# KiCad board Kimiro.kicad_pcb (continued)
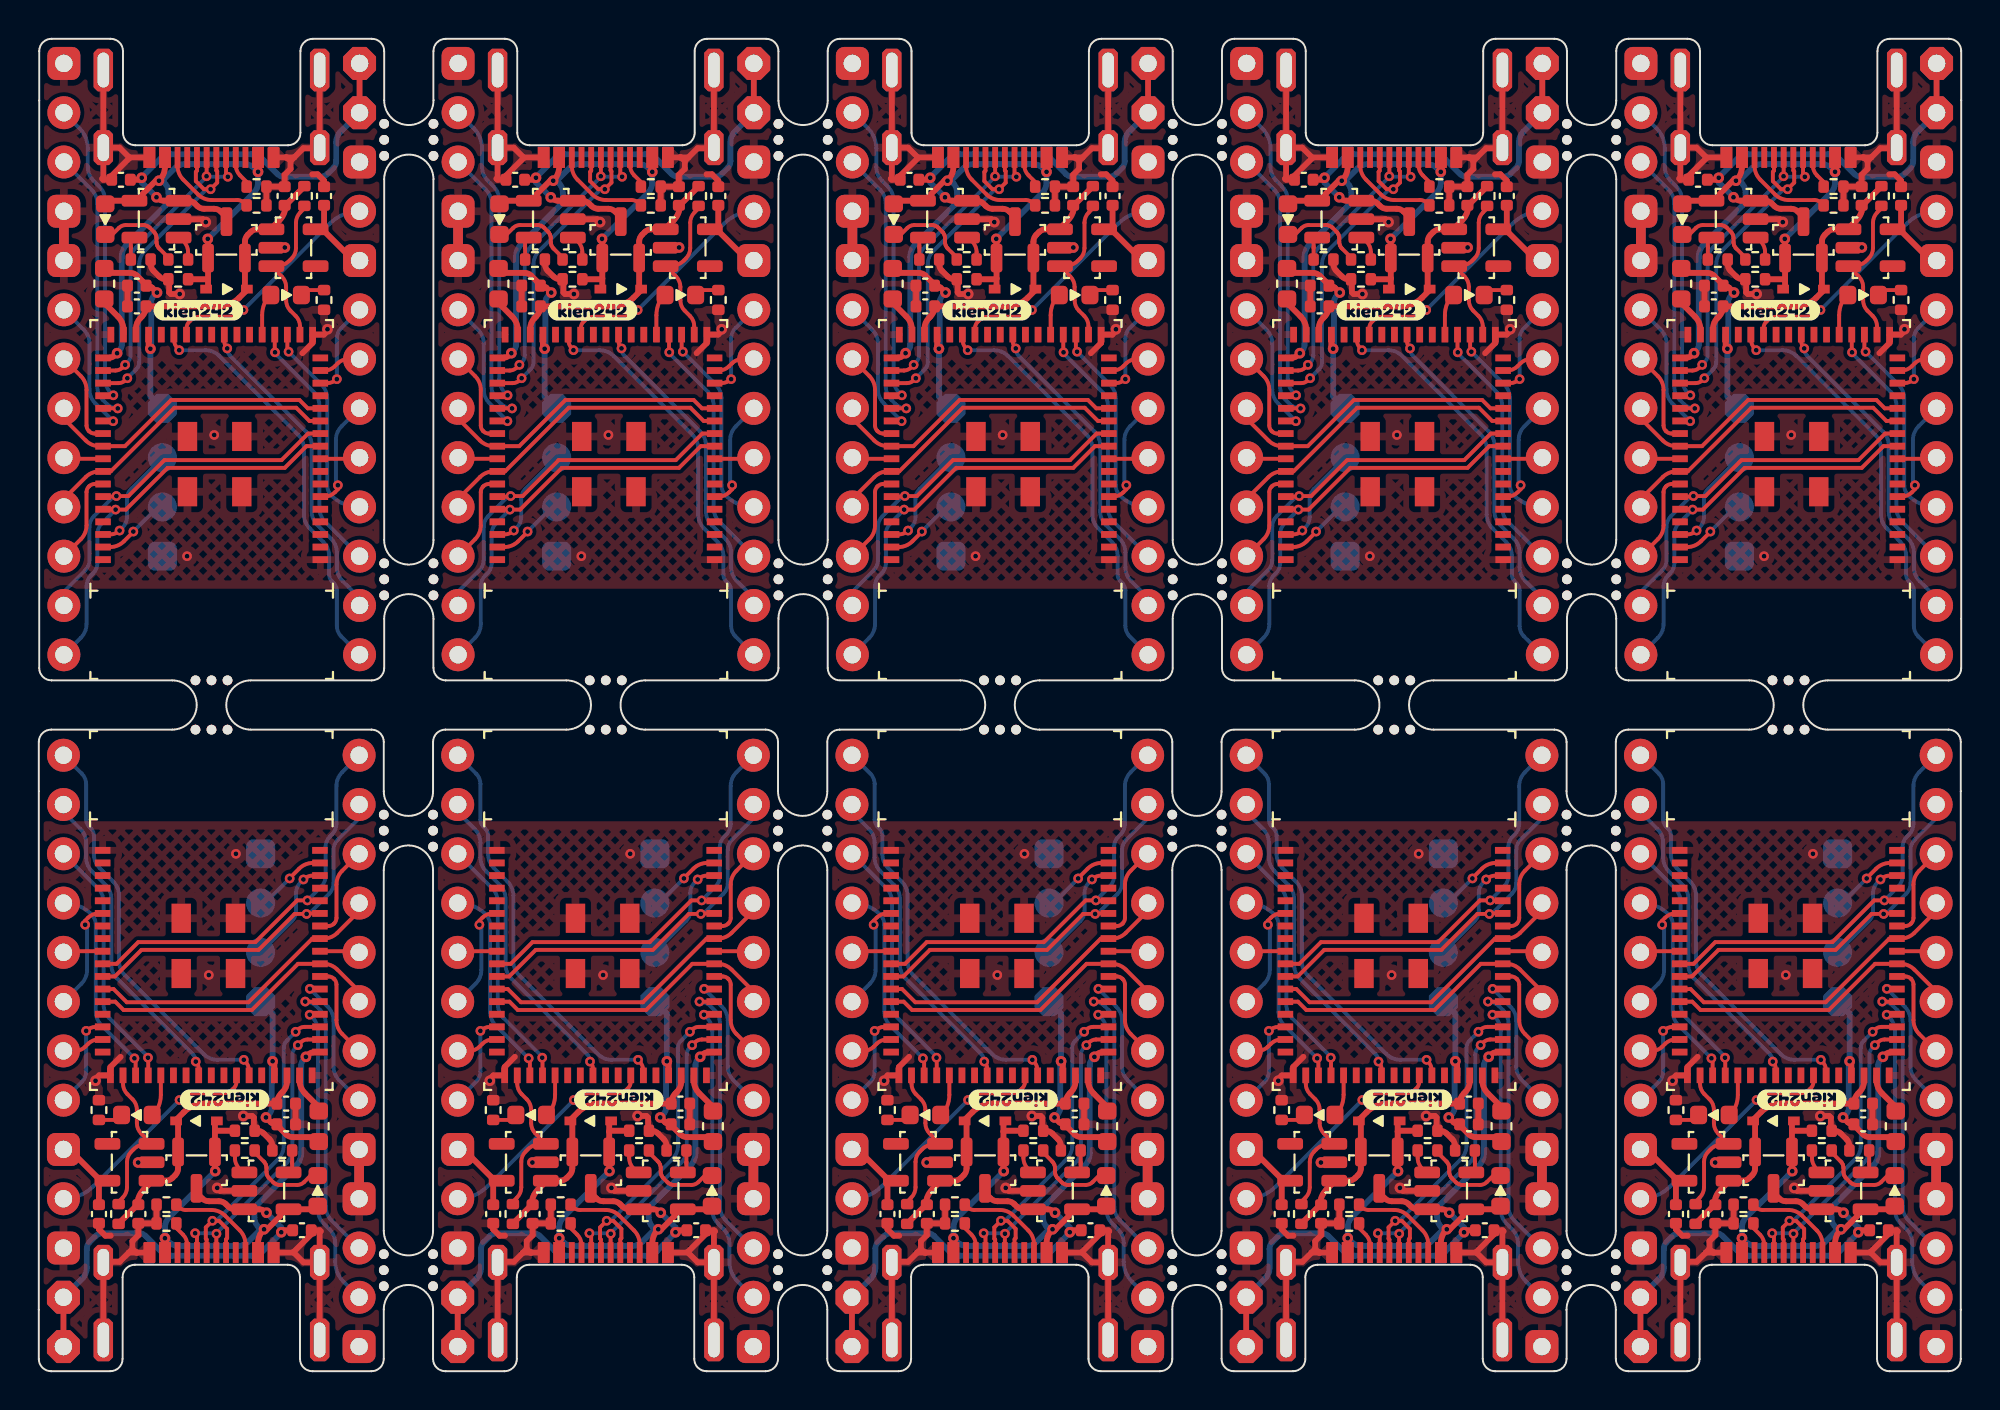
[diagram p0: board, top side]
## Nets
GND: C1.2 C1#2.2 C2.2 C3.2 C4.2 C5.1 C5#2.1 C6.1 C6#2.1 C7.2 C7#2.2 C8.2 C8#2.2 C9.1 C10.1 C11.1 C12.1 C13.2 C14.2 C15.2 C16.2 C17.2 C18.1 C19.1 C20.1 C21.1 C22.2 C23.2 C24.2 C25.2 C26.2 C27.2 C28.1 C29.1 C30.1 C31.1 C32.2 C33.2 C34.2 C35.2 C36.2 C37.2 C38.1 C39.1 C40.1 C41.1 C42.2 C43.2 C44.2 C45.2 J1.1 J1#2.1 J2.A1 J2.A12 J2.B1 J2.B12 J2.S1 J2#2.A1 J2#2.A12 J2#2.B1 J2#2.B12 J2#2.S1 J3.1 J3.4 J3.5 J3#2.1 J3#2.4 J3#2.5 J4.3 J4#2.3 J5.1 J6.1 J7.A1 J7.A12 J7.B1 J7.B12 J7.S1 J8.A1 J8.A12 J8.B1 J8.B12 J8.S1 J9.1 J9.4 J9.5 J10.1 J10.4 J10.5 J11.3 J12.3 J13.1 J14.1 J15.A1 J15.A12 J15.B1 J15.B12 J15.S1 J16.A1 J16.A12 J16.B1 J16.B12 J16.S1 J17.1 J17.4 J17.5 J18.1 J18.4 J18.5 J19.3 J20.3 J21.1 J22.1 J23.A1 J23.A12 J23.B1 J23.B12 J23.S1 J24.A1 J24.A12 J24.B1 J24.B12 J24.S1 J25.1 J25.4 J25.5 J26.1 J26.4 J26.5 J27.3 J28.3 J29.1 J30.1 J31.A1 J31.A12 J31.B1 J31.B12 J31.S1 J32.A1 J32.A12 J32.B1 J32.B12 J32.S1 J33.1 J33.4 J33.5 J34.1 J34.4 J34.5 J35.3 J36.3 R1.2 R1#2.2 R2.1 R2#2.1 R3.2 R3#2.2 R5.2 R5#2.2 R6.2 R7.2 R8.1 R9.1 R11.1 R11#2.1 R12.2 R13.2 R16.2 R17.2 R20.1 R21.1 R22.2 R23.2 R24.1 R25.1 R26.2 R27.2 R30.2 R31.2 R34.1 R35.1 R36.2 R37.2 R38.1 R39.1 R40.2 R41.2 R44.2 R45.2 R48.1 R49.1 R50.2 R51.2 R52.1 R53.1 R54.2 R55.2 R58.2 R59.2 R62.1 R63.1 U1.2 U1#2.2 U2.2 U3.1 U3.18 U3.34 U3.61 U3#2.1 U3#2.18 U3#2.34 U3#2.61 U4.2 U4#2.2 U5.2 U6.1 U6.18 U6.34 U6.61 U7.1 U7.18 U7.34 U7.61 U8.2 U9.2 U10.2 U11.2 U12.1 U12.18 U12.34 U12.61 U13.1 U13.18 U13.34 U13.61 U14.2 U15.2 U16.2 U17.2 U18.1 U18.18 U18.34 U18.61 U19.1 U19.18 U19.34 U19.61 U20.2 U21.2 U22.2 U23.2 U24.1 U24.18 U24.34 U24.61 U25.1 U25.18 U25.34 U25.61 U26.2 U27.2
VBAT: C1.1 C1#2.1 C2.1 C3.1 C4.1 C17.1 C26.1 C27.1 C36.1 C37.1 J4.1 J4.2 J4#2.1 J4#2.2 J11.1 J11.2 J12.1 J12.2 J19.1 J19.2 J20.1 J20.2 J27.1 J27.2 J28.1 J28.2 J35.1 J35.2 J36.1 J36.2 Q1.3 Q1#2.3 Q2.3 Q3.3 Q4.3 Q5.3 Q6.3 Q7.3 Q8.3 Q9.3 U1.3 U1#2.3 U2.3 U5.3 U10.3 U11.3 U16.3 U17.3 U22.3 U23.3
VBUS: D1.2 D1#2.2 D3.2 D3#2.2 D4.2 D5.2 D8.2 D9.2 D10.2 D11.2 D14.2 D15.2 D16.2 D17.2 D20.2 D21.2 D22.2 D23.2 D26.2 D27.2 J2.A4 J2.A9 J2.B4 J2.B9 J2#2.A4 J2#2.A9 J2#2.B4 J2#2.B9 J7.A4 J7.A9 J7.B4 J7.B9 J8.A4 J8.A9 J8.B4 J8.B9 J15.A4 J15.A9 J15.B4 J15.B9 J16.A4 J16.A9 J16.B4 J16.B9 J23.A4 J23.A9 J23.B4 J23.B9 J24.A4 J24.A9 J24.B4 J24.B9 J31.A4 J31.A9 J31.B4 J31.B9 J32.A4 J32.A9 J32.B4 J32.B9 Q1.1 Q1#2.1 Q2.1 Q3.1 Q4.1 Q5.1 Q6.1 Q7.1 Q8.1 Q9.1 R3.1 R3#2.1 R12.1 R13.1 R26.1 R27.1 R40.1 R41.1 R54.1 R55.1 U1.4 U1#2.4 U2.4 U3.35 U3#2.35 U5.4 U6.35 U7.35 U10.4 U11.4 U12.35 U13.35 U16.4 U17.4 U18.35 U19.35 U22.4 U23.4 U24.35 U25.35
VCC: C6.2 C6#2.2 C11.2 C12.2 C20.2 C21.2 C30.2 C31.2 C40.2 C41.2 J4.5 J4#2.5 J11.5 J12.5 J19.5 J20.5 J27.5 J28.5 J35.5 J36.5 U4.5 U4#2.5 U8.5 U9.5 U14.5 U15.5 U20.5 U21.5 U26.5 U27.5
VDD: C7.1 C7#2.1 C13.1 C14.1 C22.1 C23.1 C32.1 C33.1 C42.1 C43.1 J1.4 J1#2.4 J5.4 J6.4 J13.4 J14.4 J21.4 J22.4 J29.4 J30.4 L1.2 L1#2.2 L2.2 L3.2 L4.2 L5.2 L6.2 L7.2 L8.2 L9.2 U3.31 U3#2.31 U6.31 U7.31 U12.31 U13.31 U18.31 U19.31 U24.31 U25.31
VDDH: C5.2 C5#2.2 C8.1 C8#2.1 C9.2 C10.2 C15.1 C16.1 C18.2 C19.2 C24.1 C25.1 C28.2 C29.2 C34.1 C35.1 C38.2 C39.2 C44.1 C45.1 D1.1 D1#2.1 D4.1 D5.1 D10.1 D11.1 D16.1 D17.1 D22.1 D23.1 Q1.2 Q1#2.2 Q2.2 Q3.2 Q4.2 Q5.2 Q6.2 Q7.2 Q8.2 Q9.2 R10.1 R10#2.1 R18.1 R19.1 R32.1 R33.1 R46.1 R47.1 R60.1 R61.1 U3.32 U3#2.32 U4.1 U4#2.1 U6.32 U7.32 U8.1 U9.1 U12.32 U13.32 U14.1 U15.1 U18.32 U19.32 U20.1 U21.1 U24.32 U25.32 U26.1 U27.1
002: J4.9 J4#2.9 J11.9 J12.9 J19.9 J20.9 J27.9 J28.9 J35.9 J36.9 U3.9 U3#2.9 U6.9 U7.9 U12.9 U13.9 U18.9 U19.9 U24.9 U25.9
003: J4.8 J4#2.8 J11.8 J12.8 J19.8 J20.8 J27.8 J28.8 J35.8 J36.8 U3.6 U3#2.6 U6.6 U7.6 U12.6 U13.6 U18.6 U19.6 U24.6 U25.6
004: J4.7 J4#2.7 J11.7 J12.7 J19.7 J20.7 J27.7 J28.7 J35.7 J36.7 U3.16 U3#2.16 U6.16 U7.16 U12.16 U13.16 U18.16 U19.16 U24.16 U25.16
005: J4.6 J4#2.6 J11.6 J12.6 J19.6 J20.6 J27.6 J28.6 J35.6 J36.6 U3.15 U3#2.15 U6.15 U7.15 U12.15 U13.15 U18.15 U19.15 U24.15 U25.15
006: J4.10 J4#2.10 J11.10 J12.10 J19.10 J20.10 J27.10 J28.10 J35.10 J36.10 U3.20 U3#2.20 U6.20 U7.20 U12.20 U13.20 U18.20 U19.20 U24.20 U25.20
008: J4.12 J4#2.12 J11.12 J12.12 J19.12 J20.12 J27.12 J28.12 J35.12 J36.12 U3.25 U3#2.25 U6.25 U7.25 U12.25 U13.25 U18.25 U19.25 U24.25 U25.25
013: J3.3 J3#2.3 J9.3 J10.3 J17.3 J18.3 J25.3 J26.3 J33.3 J34.3 U3.39 U3#2.39 U6.39 U7.39 U12.39 U13.39 U18.39 U19.39 U24.39 U25.39
015: J3.6 J3#2.6 J9.6 J10.6 J17.6 J18.6 J25.6 J26.6 J33.6 J34.6 U3.40 U3#2.40 U6.40 U7.40 U12.40 U13.40 U18.40 U19.40 U24.40 U25.40
016: J4.13 J4#2.13 J11.13 J12.13 J19.13 J20.13 J27.13 J28.13 J35.13 J36.13 U3.29 U3#2.29 U6.29 U7.29 U12.29 U13.29 U18.29 U19.29 U24.29 U25.29
017: J3.7 J3#2.7 J9.7 J10.7 J17.7 J18.7 J25.7 J26.7 J33.7 J34.7 U3.41 U3#2.41 U6.41 U7.41 U12.41 U13.41 U18.41 U19.41 U24.41 U25.41
019: J3.2 J3#2.2 J9.2 J10.2 J17.2 J18.2 J25.2 J26.2 J33.2 J34.2 U3.38 U3#2.38 U6.38 U7.38 U12.38 U13.38 U18.38 U19.38 U24.38 U25.38
020: J3.10 J3#2.10 J9.10 J10.10 J17.10 J18.10 J25.10 J26.10 J33.10 J34.10 U3.12 U3.44 U3#2.12 U3#2.44 U6.12 U6.44 U7.12 U7.44 U12.12 U12.44 U13.12 U13.44 U18.12 U18.44 U19.12 U19.44 U24.12 U24.44 U25.12 U25.44
021: J3.8 J3#2.8 J9.8 J10.8 J17.8 J18.8 J25.8 J26.8 J33.8 J34.8 U3.13 U3.42 U3#2.13 U3#2.42 U6.13 U6.42 U7.13 U7.42 U12.13 U12.42 U13.13 U13.42 U18.13 U18.42 U19.13 U19.42 U24.13 U24.42 U25.13 U25.42
022: J3.11 J3#2.11 J9.11 J10.11 J17.11 J18.11 J25.11 J26.11 J33.11 J34.11 U3.45 U3#2.45 U6.45 U7.45 U12.45 U13.45 U18.45 U19.45 U24.45 U25.45
023: J3.9 J3#2.9 J9.9 J10.9 J17.9 J18.9 J25.9 J26.9 J33.9 J34.9 U3.43 U3#2.43 U6.43 U7.43 U12.43 U13.43 U18.43 U19.43 U24.43 U25.43
024: J3.12 J3#2.12 J9.12 J10.12 J17.12 J18.12 J25.12 J26.12 J33.12 J34.12 U3.11 U3.46 U3#2.11 U3#2.46 U6.11 U6.46 U7.11 U7.46 U12.11 U12.46 U13.11 U13.46 U18.11 U18.46 U19.11 U19.46 U24.11 U24.46 U25.11 U25.46
100: J3.13 J3#2.13 J9.13 J10.13 J17.13 J18.13 J25.13 J26.13 J33.13 J34.13 U3.10 U3.47 U3#2.10 U3#2.47 U6.10 U6.47 U7.10 U7.47 U12.10 U12.47 U13.10 U13.47 U18.10 U18.47 U19.10 U19.47 U24.10 U24.47 U25.10 U25.47
108: J4.11 J4#2.11 J11.11 J12.11 J19.11 J20.11 J27.11 J28.11 J35.11 J36.11 U3.21 U3#2.21 U6.21 U7.21 U12.21 U13.21 U18.21 U19.21 U24.21 U25.21
D+: J2.A6 J2.B6 J2#2.A6 J2#2.B6 J7.A6 J7.B6 J8.A6 J8.B6 J15.A6 J15.B6 J16.A6 J16.B6 J23.A6 J23.B6 J24.A6 J24.B6 J31.A6 J31.B6 J32.A6 J32.B6 U3.37 U3#2.37 U6.37 U7.37 U12.37 U13.37 U18.37 U19.37 U24.37 U25.37
D-: J2.A7 J2.B7 J2#2.A7 J2#2.B7 J7.A7 J7.B7 J8.A7 J8.B7 J15.A7 J15.B7 J16.A7 J16.B7 J23.A7 J23.B7 J24.A7 J24.B7 J31.A7 J31.B7 J32.A7 J32.B7 U3.36 U3#2.36 U6.36 U7.36 U12.36 U13.36 U18.36 U19.36 U24.36 U25.36
DCCH: L1.1 L1#2.1 L2.1 L3.1 L4.1 L5.1 L6.1 L7.1 L8.1 L9.1 U3.33 U3#2.33 U6.33 U7.33 U12.33 U13.33 U18.33 U19.33 U24.33 U25.33
LED: D2.2 D2#2.2 D6.2 D7.2 D12.2 D13.2 D18.2 D19.2 D24.2 D25.2 U3.22 U3#2.22 U6.22 U7.22 U12.22 U13.22 U18.22 U19.22 U24.22 U25.22
POWER_PIN: R10.2 R10#2.2 R18.2 R19.2 R32.2 R33.2 R46.2 R47.2 R60.2 R61.2 U3.19 U3#2.19 U4.3 U4#2.3 U6.19 U7.19 U8.3 U9.3 U12.19 U13.19 U14.3 U15.3 U18.19 U19.19 U20.3 U21.3 U24.19 U25.19 U26.3 U27.3
RST: J4.4 J4#2.4 J11.4 J12.4 J19.4 J20.4 J27.4 J28.4 J35.4 J36.4 U3.28 U3#2.28 U6.28 U7.28 U12.28 U13.28 U18.28 U19.28 U24.28 U25.28
SWCLK: J1.2 J1#2.2 J5.2 J6.2 J13.2 J14.2 J21.2 J22.2 J29.2 J30.2 U3.50 U3#2.50 U6.50 U7.50 U12.50 U13.50 U18.50 U19.50 U24.50 U25.50
SWDIO: J1.3 J1#2.3 J5.3 J6.3 J13.3 J14.3 J21.3 J22.3 J29.3 J30.3 U3.49 U3#2.49 U6.49 U7.49 U12.49 U13.49 U18.49 U19.49 U24.49 U25.49
Net-(D2-Pad1): D2.1 D2#2.1 D6.1 D7.1 D12.1 D13.1 D18.1 D19.1 D24.1 D25.1 R11.2 R11#2.2 R20.2 R21.2 R34.2 R35.2 R48.2 R49.2 R62.2 R63.2
Net-(D3-Pad1): D3.1 D3#2.1 D8.1 D9.1 D14.1 D15.1 D20.1 D21.1 D26.1 D27.1 R4.1 R4#2.1 R14.1 R15.1 R28.1 R29.1 R42.1 R43.1 R56.1 R57.1
Net-(J2-PadA5): J2.A5 J2#2.A5 J7.A5 J8.A5 J15.A5 J16.A5 J23.A5 J24.A5 J31.A5 J32.A5 R1.1 R1#2.1 R6.1 R7.1 R22.1 R23.1 R36.1 R37.1 R50.1 R51.1
Net-(J2-PadB5): J2.B5 J2#2.B5 J7.B5 J8.B5 J15.B5 J16.B5 J23.B5 J24.B5 J31.B5 J32.B5 R2.2 R2#2.2 R8.2 R9.2 R24.2 R25.2 R38.2 R39.2 R52.2 R53.2
Net-(R4-Pad2): R4.2 R4#2.2 R14.2 R15.2 R28.2 R29.2 R42.2 R43.2 R56.2 R57.2 U1.1 U1#2.1 U2.1 U5.1 U10.1 U11.1 U16.1 U17.1 U22.1 U23.1
Net-(R5-Pad1): R5.1 R5#2.1 R16.1 R17.1 R30.1 R31.1 R44.1 R45.1 R58.1 R59.1 U1.5 U1#2.5 U2.5 U5.5 U10.5 U11.5 U16.5 U17.5 U22.5 U23.5

Pads without a net: J2 A8 B8; J2#2 A8 B8; J7 A8 B8; J8 A8 B8; J15 A8 B8; J16 A8 B8; J23 A8 B8; J24 A8 B8; J31 A8 B8; J32 A8 B8; U3 2 3 4 5 7 8 14 17 23 24 26 27 30 48 51; U3#2 2 3 4 5 7 8 14 17 23 24 26 27 30 48 51; U4 4; U4#2 4; U6 2 3 4 5 7 8 14 17 23 24 26 27 30 48 51; U7 2 3 4 5 7 8 14 17 23 24 26 27 30 48 51; U8 4; U9 4; U12 2 3 4 5 7 8 14 17 23 24 26 27 30 48 51; U13 2 3 4 5 7 8 14 17 23 24 26 27 30 48 51; U14 4; U15 4; U18 2 3 4 5 7 8 14 17 23 24 26 27 30 48 51; U19 2 3 4 5 7 8 14 17 23 24 26 27 30 48 51; U20 4; U21 4; U24 2 3 4 5 7 8 14 17 23 24 26 27 30 48 51; U25 2 3 4 5 7 8 14 17 23 24 26 27 30 48 51; U26 4; U27 4

## Via types
v1: diameter 0.55, hole 0.25, Top to Bottom, 120 vias
v2: diameter 0.5, hole 0.25, Top to Bottom, 210 vias

## Routing (per net, layer and track width the routed paths; a pad name or vN(x,y) marks a point on that pad's centre or on a via; arc(x,y) is an arc through that point)
GND: length 349.7
  Top w0.3: 66.82,10.77 66.09,10.77 v1(66.08,10.76) ; U10.2 49.99,9.3 v1(49.83,9.45) ; 65.18,16.21 64.65,15.68 U18.18 64.07,15.25 63.88,15.06 v1(63.88,14.97) ; 14.09,61.7 14.37,61.7 14.7,61.37 C6#2.1 ; 94.26,62.38 94.07,62.57 94.02,62.57 ; 94.26,62.38 94.26,61.98 93.95,61.67 C39.1 93.95,61.06 R51.2 R53.1 ; 94.26,62.38 94.44,62.57 ; J8.A1 33.06,62.57 ; 33.06,62.57 33.48,62.57 ; 33.06,62.57 33.07,62.56 ; 33.06,62.57 33.11,62.57 33.3,62.38 ; J2#2.S1 J2#2.S1 14.45,63.04 13.64,63.04 13.16,62.57 ; C30.1 64.06,7.32 64.39,6.98 64.67,6.98 ; 85.92,6.11 85.45,5.64 84.63,5.64 J31.S1 J31.S1 ; 85.92,6.11 86.11,6.3 ; 85.92,6.11 86.34,6.11 ; R59.2 87.04,57.08 arc(87.08,56.88) 87.19,56.72 87.48,56.43 arc(87.64,56.32) 87.83,56.29 R55.2 88,56.24 88,55.61 88.08,55.52 v1(88.54,55.52) ; 54.22,52.48 54.75,53 U13.18 55.33,53.43 55.52,53.62 v1(55.52,53.71) ; U16.2 70.31,9.3 v1(70.15,9.45) ; J16.A12 45.3,62.57 ; 45.3,62.57 44.8,63.07 J16.S1 ; 45.3,62.57 45.3,62.53 44.4,61.62 C17.2 ; 85.94,62.57 85.94,62.53 85.04,61.62 C37.2 ; 85.94,62.57 85.44,63.07 J32.S1 ; 85.94,62.57 J32.A12 ; 24.98,62.57 24.98,62.53 24.08,61.62 C3.2 ; 24.98,62.57 24.48,63.07 J8.S1 ; 24.98,62.57 J8.A12 ; v1(29.51,9.45) 29.67,9.3 U2.2 ; 33.46,6.11 33.46,6.15 34.36,7.06 C2.2 ; 33.46,6.11 J7.A12 ; 33.46,6.11 33.96,5.61 J7.S1 ; C40.1 84.38,7.32 84.71,6.98 84.99,6.98 ; 73.94,62.38 74.12,62.57 ; 73.94,62.38 73.94,61.98 73.63,61.67 C29.1 73.63,61.06 R37.2 R39.1 ; 73.94,62.38 73.75,62.57 73.7,62.57 ; 74.12,62.57 73.7,62.57 ; 74.12,62.57 74.6,63.04 75.41,63.04 J24.S1 J24.S1 ; C45.2 C43.2 ; C21.1 55.34,61.37 55.01,61.7 54.73,61.7 ; R2.1 R1.2 12.67,61.06 C5#2.1 12.67,61.67 12.98,61.98 12.98,62.38 ; v1(8.61,59.23) 8.45,59.39 U1.2 ; v1(51.18,13.16) 51.64,13.16 51.72,13.07 51.72,12.44 R26.2 51.89,12.4 arc(52.08,12.36) 52.24,12.25 52.53,11.96 arc(52.64,11.8) 52.68,11.61 R30.2 ; 4.83,6.3 5.01,6.11 5.06,6.11 ; 4.83,6.3 4.64,6.11 ; 4.83,6.3 4.83,6.71 5.13,7.01 C5.1 5.13,7.62 R1#2.2 R2#2.1 ; 5.86,10.77 5.13,10.77 v1(5.12,10.76) ; 33.48,62.57 33.96,63.04 34.77,63.04 J8.S1 J8.S1 ; 33.48,62.57 33.3,62.38 ; U17.2 69.41,59.39 v1(69.57,59.23) ; J23.S1 75.44,7.16 75.49,7.21 75.44,7.26 75.13,7.26 ; J23.S1 74.6,5.61 74.1,6.11 ; J23.S1 J23.S1 ; J24.A12 65.62,62.57 ; 65.62,62.57 65.62,62.53 64.72,61.62 C27.2 ; 65.62,62.57 65.12,63.07 J24.S1 ; C8.2 C7#2.2 ; J7.S1 J7.S1 23.67,5.64 24.49,5.64 24.96,6.11 ; 4.64,6.11 4.17,5.64 3.35,5.64 J2.S1 J2.S1 ; 4.64,6.11 5.06,6.11 ; R16.2 32.36,11.61 arc(32.32,11.8) 32.21,11.96 31.92,12.25 arc(31.76,12.36) 31.57,12.4 R12.2 31.4,12.44 31.4,13.07 31.32,13.16 v1(30.86,13.16) ; R5.2 5.76,57.08 arc(5.8,56.88) 5.91,56.72 6.2,56.43 arc(6.36,56.32) 6.55,56.29 R3#2.2 6.72,56.24 6.72,55.61 6.8,55.52 v1(7.26,55.52) ; 25.15,6.3 25.33,6.11 25.38,6.11 ; 25.15,6.3 25.15,6.71 25.45,7.01 C9.1 25.45,7.62 R6.2 R8.1 ; 25.15,6.3 24.96,6.11 ; 94.86,52.48 95.39,53 U25.18 95.97,53.43 96.16,53.62 v1(96.16,53.71) ; U5.2 28.77,59.39 v1(28.93,59.23) ; 74.1,6.11 74.1,6.15 75,7.06 C26.2 ; 74.1,6.11 J23.A12 ; R31.2 46.4,57.08 arc(46.44,56.88) 46.55,56.72 46.84,56.43 arc(47,56.32) 47.19,56.29 R27.2 47.36,56.24 47.36,55.61 47.44,55.52 v1(47.9,55.52) ; v1(33,57.92) 32.99,57.91 32.26,57.91 ; R5#2.2 12.04,11.61 arc(12,11.8) 11.89,11.96 11.6,12.25 arc(11.44,12.36) 11.25,12.4 R3.2 11.08,12.44 11.08,13.07 11,13.16 v1(10.54,13.16) ; J2.A12 13.14,6.11 ; 13.14,6.11 13.14,6.15 14.04,7.06 C1.2 ; 13.14,6.11 13.64,5.61 J2.S1 ; 12.98,62.38 13.16,62.57 ; 12.98,62.38 12.79,62.57 12.74,62.57 ; 11.94,57.91 12.67,57.91 v1(12.68,57.92) ; R17.2 26.08,57.08 arc(26.12,56.88) 26.23,56.72 26.52,56.43 arc(26.68,56.32) 26.87,56.29 R13.2 27.04,56.24 27.04,55.61 27.12,55.52 v1(27.58,55.52) ; C11.1 23.42,7.32 23.75,6.98 24.03,6.98 ; R24.1 R22.2 45.77,7.62 C18.1 45.77,7.01 45.47,6.71 45.47,6.3 ; R25.1 R23.2 53.31,61.06 C19.1 53.31,61.67 53.62,61.98 53.62,62.38 ; 54.81,7.26 55.12,7.26 55.17,7.21 55.12,7.16 J15.S1 ; R58.2 93.32,11.61 arc(93.28,11.8) 93.17,11.96 92.88,12.25 arc(92.72,12.36) 92.53,12.4 R54.2 92.36,12.44 92.36,13.07 92.28,13.16 v1(91.82,13.16) ; 93.22,57.91 93.95,57.91 v1(93.96,57.92) ; 45.47,6.3 45.28,6.11 ; 45.47,6.3 45.65,6.11 45.7,6.11 ; 45.28,6.11 44.81,5.64 43.99,5.64 J15.S1 J15.S1 ; 45.28,6.11 45.7,6.11 ; 53.39,62.56 53.38,62.57 ; 53.38,62.57 53.8,62.57 ; 53.38,62.57 J16.A1 ; 53.38,62.57 53.43,62.57 53.62,62.38 ; J24.S1 J24.S1 ; J24.S1 64.29,61.52 64.23,61.47 64.28,61.42 64.59,61.42 ; 86.11,6.3 86.11,6.71 86.41,7.01 C38.1 86.41,7.62 R50.2 R52.1 ; 86.11,6.3 86.29,6.11 86.34,6.11 ; 85.5,16.21 84.97,15.68 U24.18 84.39,15.25 84.2,15.06 v1(84.2,14.97) ; J16.S1 J16.S1 ; J16.S1 43.97,61.52 43.91,61.47 43.96,61.42 44.27,61.42 ; C15.2 C13.2 ; 52.58,57.91 53.31,57.91 v1(53.32,57.92) ; 4.66,62.57 4.16,63.07 J2#2.S1 ; 4.66,62.57 4.66,62.53 3.76,61.62 C1#2.2 ; 4.66,62.57 J2#2.A12 ; J32.S1 J32.S1 95.73,63.04 94.92,63.04 94.44,62.57 ; U23.2 89.73,59.39 v1(89.89,59.23) ; 94.42,6.11 94.92,5.61 J31.S1 ; 94.42,6.11 J31.A12 ; 94.42,6.11 94.42,6.15 95.32,7.06 C36.2 ; J15.S1 J15.S1 ; J15.S1 54.28,5.61 53.78,6.11 ; J23.S1 J23.S1 64.31,5.64 65.13,5.64 65.6,6.11 ; 94.44,62.57 94.02,62.57 ; J31.A1 86.34,6.11 ; 86.34,6.11 86.33,6.12 ; 66.02,6.11 65.97,6.11 65.79,6.3 ; 66.02,6.11 J23.A1 ; 66.02,6.11 65.6,6.11 ; 66.02,6.11 66.01,6.12 ; 12.74,62.57 13.16,62.57 ; 12.74,62.57 12.75,62.56 ; 12.74,62.57 J2#2.A1 ; v1(73.64,57.92) 73.63,57.91 72.9,57.91 ; 25.38,6.11 J7.A1 ; 25.38,6.11 25.37,6.12 ; 25.38,6.11 24.96,6.11 ; J31.S1 95.76,7.16 95.81,7.21 95.76,7.26 95.45,7.26 ; J31.S1 J31.S1 ; 5.05,6.12 5.06,6.11 ; 5.06,6.11 J2.A1 ; 44.86,16.21 44.33,15.68 U12.18 43.75,15.25 43.56,15.06 v1(43.56,14.97) ; 65.6,6.11 65.79,6.3 ; 33.3,62.38 33.3,61.98 32.99,61.67 C10.1 32.99,61.06 R7.2 R9.1 ; 53.78,6.11 53.78,6.15 54.68,7.06 C4.2 ; 53.78,6.11 J15.A12 ; 94.02,62.57 J32.A1 ; 94.02,62.57 94.03,62.56 ; v1(45.76,10.76) 45.77,10.77 46.5,10.77 ; 26.18,10.77 25.45,10.77 v1(25.44,10.76) ; v1(86.4,10.76) 86.41,10.77 87.14,10.77 ; 73.7,62.57 J24.A1 ; 73.7,62.57 73.71,62.56 ; U1#2.2 9.35,9.3 v1(9.19,9.45) ; U11.2 49.09,59.39 v1(49.25,59.23) ; C25.2 C23.2 ; 23.95,61.42 23.64,61.42 23.59,61.47 23.65,61.52 J8.S1 ; 45.69,6.12 45.7,6.11 ; 45.7,6.11 J15.A1 ; J16.S1 J16.S1 55.09,63.04 54.28,63.04 53.8,62.57 ; 13.58,52.48 14.11,53 U3#2.18 14.69,53.43 14.88,53.62 v1(14.88,53.71) ; C20.1 43.74,7.32 44.07,6.98 44.35,6.98 ; J7.S1 J7.S1 ; J7.S1 34.8,7.16 34.85,7.21 34.8,7.26 34.49,7.26 ; 95.37,61.7 95.65,61.7 95.98,61.37 C41.1 ; 84.91,61.42 84.6,61.42 84.55,61.47 84.61,61.52 J32.S1 ; 53.62,62.38 53.8,62.57 ; v1(35.2,53.71) 35.2,53.62 35.01,53.43 U7.18 34.43,53 33.9,52.48 ; v1(71.5,13.16) 71.96,13.16 72.04,13.07 72.04,12.44 R40.2 72.21,12.4 arc(72.4,12.36) 72.56,12.25 72.85,11.96 arc(72.96,11.8) 73,11.61 R44.2 ; C35.2 C33.2 ; J2.S1 14.48,7.16 14.53,7.21 14.48,7.26 14.17,7.26 ; J2.S1 J2.S1 ; J8.S1 J8.S1 ; 34.41,61.7 34.69,61.7 35.02,61.37 C12.1 ; J2#2.S1 3.33,61.52 3.27,61.47 3.32,61.42 3.63,61.42 ; J2#2.S1 J2#2.S1 ; C6.1 3.1,7.32 3.43,6.98 3.71,6.98 ; C24.2 C22.2 ; v1(68.22,55.52) 67.76,55.52 67.68,55.61 67.68,56.24 R41.2 67.51,56.29 arc(67.32,56.32) 67.16,56.43 66.87,56.72 arc(66.76,56.88) 66.72,57.08 R45.2 ; C44.2 C42.2 ; J32.S1 J32.S1 ; v1(23.24,14.97) 23.24,15.06 23.43,15.25 U6.18 24.01,15.68 24.54,16.21 ; C8#2.2 C7.2 ; 4.22,16.21 3.69,15.68 U3.18 3.11,15.25 2.92,15.06 v1(2.92,14.97) ; C31.1 75.66,61.37 75.33,61.7 75.05,61.7 ; R38.1 R36.2 66.09,7.62 C28.1 66.09,7.01 65.79,6.71 65.79,6.3 ; U22.2 90.63,9.3 v1(90.47,9.45) ; C34.2 C32.2 ; C16.2 C14.2 ; 74.54,52.48 75.07,53 U19.18 75.65,53.43 75.84,53.62 v1(75.84,53.71)
  Top w0.5: 57.15,11.4 57.15,8.86 ; 41.93,57.28 41.93,59.82 ; 82.57,57.28 82.57,59.82 ; 1.29,57.28 1.29,59.82 ; 16.51,11.4 16.51,8.86 ; 36.83,11.4 36.83,8.86 ; 97.79,11.4 97.79,8.86 ; 62.25,57.28 62.25,59.82 ; 77.47,11.4 77.47,8.86 ; 21.61,57.28 21.61,59.82
  Bottom w0.5: J25.5 J25.4 ; J9.5 J9.4 ; J18.5 J18.4 ; J17.5 J17.4 ; J34.5 J34.4 ; J33.5 J33.4 ; J10.5 J10.4 ; J3#2.5 J3#2.4 ; J26.5 J26.4 ; J3.5 J3.4
  vias: v2(7.64,42.01) v2(8.76,20.42) v2(9.04,48.26) v2(10.16,26.67) v2(27.96,42.01) v2(29.08,20.42) v2(29.36,48.26) v2(30.48,26.67) v2(48.28,42.01) v2(49.4,20.42) v2(49.68,48.26) v2(50.8,26.67) v2(68.6,42.01) v2(69.72,20.42) v2(70,48.26) v2(71.12,26.67) v2(88.92,42.01) v2(90.04,20.42) v2(90.32,48.26) v2(91.44,26.67)
VBAT: length 228.2
  Top w0.3: 73.89,7.26 73.56,7.26 v1(73.46,7.16) ; 65.83,61.42 66.16,61.42 v1(66.26,61.52) ; 33.25,7.26 32.92,7.26 v1(32.82,7.16) ; v1(45.94,61.52) 45.84,61.42 45.51,61.42 ; v1(72.7,8.17) 72.66,8.2 arc(72.5,8.31) 72.31,8.35 U16.3 71.07,8.35 arc(70.88,8.38) 70.72,8.49 70.6,8.62 arc(70.44,8.72) 70.24,8.76 69.73,8.76 arc(69.54,8.8) 69.37,8.91 69.09,9.19 Q6.3 ; v1(46.71,60.51) 46.74,60.48 arc(46.9,60.37) 47.09,60.34 U11.3 48.33,60.34 arc(48.52,60.3) 48.68,60.19 48.8,60.07 arc(48.97,59.96) 49.16,59.92 49.67,59.92 arc(49.86,59.88) 50.03,59.77 50.31,59.49 Q5.3 ; v1(67.03,60.51) 67.06,60.48 arc(67.22,60.37) 67.41,60.34 U17.3 68.65,60.34 arc(68.84,60.3) 69,60.19 69.12,60.07 arc(69.29,59.96) 69.48,59.92 69.99,59.92 arc(70.18,59.88) 70.35,59.77 70.63,59.49 Q7.3 ; v1(5.3,61.52) 5.2,61.42 4.87,61.42 ; 94.21,7.26 93.88,7.26 v1(93.78,7.16) ; 12.93,7.26 12.6,7.26 v1(12.5,7.16) ; J36.1 J36.2 ; J28.1 J28.2 ; J4#2.1 J4#2.2 ; 86.15,61.42 86.48,61.42 v1(86.58,61.52) ; Q1#2.3 8.13,9.19 8.41,8.91 arc(8.58,8.8) 8.77,8.76 9.28,8.76 arc(9.48,8.72) 9.64,8.62 9.76,8.49 arc(9.92,8.38) 10.11,8.35 U1#2.3 11.35,8.35 arc(11.54,8.31) 11.7,8.2 v1(11.74,8.17) ; 25.19,61.42 25.52,61.42 v1(25.62,61.52) ; Q3.3 29.99,59.49 29.71,59.77 arc(29.54,59.88) 29.35,59.92 28.84,59.92 arc(28.65,59.96) 28.48,60.07 28.36,60.19 arc(28.2,60.3) 28.01,60.34 U5.3 26.77,60.34 arc(26.58,60.37) 26.42,60.48 v1(26.39,60.51) ; 53.57,7.26 53.24,7.26 v1(53.14,7.16) ; Q2.3 28.45,9.19 28.73,8.91 arc(28.9,8.8) 29.09,8.76 29.6,8.76 arc(29.8,8.72) 29.96,8.62 30.08,8.49 arc(30.24,8.38) 30.43,8.35 U2.3 31.67,8.35 arc(31.86,8.31) 32.02,8.2 v1(32.06,8.17) ; J11.1 J11.2 ; Q4.3 48.77,9.19 49.05,8.91 arc(49.22,8.8) 49.41,8.76 49.92,8.76 arc(50.12,8.72) 50.28,8.62 50.4,8.49 arc(50.56,8.38) 50.75,8.35 U10.3 51.99,8.35 arc(52.18,8.31) 52.34,8.2 v1(52.38,8.17) ; J12.1 J12.2 ; v1(87.35,60.51) 87.38,60.48 arc(87.54,60.37) 87.73,60.34 U23.3 88.97,60.34 arc(89.16,60.3) 89.32,60.19 89.44,60.07 arc(89.61,59.96) 89.8,59.92 90.31,59.92 arc(90.5,59.88) 90.67,59.77 90.95,59.49 Q9.3 ; Q1.3 9.67,59.49 9.39,59.77 arc(9.22,59.88) 9.03,59.92 8.52,59.92 arc(8.33,59.96) 8.16,60.07 8.04,60.19 arc(7.88,60.3) 7.69,60.34 U1.3 6.45,60.34 arc(6.26,60.37) 6.1,60.48 v1(6.07,60.51) ; J35.1 J35.2 ; J27.1 J27.2 ; J19.1 J19.2 ; J20.1 J20.2 ; J4.1 J4.2 ; Q8.3 89.41,9.19 89.69,8.91 arc(89.86,8.8) 90.05,8.76 90.56,8.76 arc(90.76,8.72) 90.92,8.62 91.04,8.49 arc(91.2,8.38) 91.39,8.35 U22.3 92.63,8.35 arc(92.82,8.31) 92.98,8.2 v1(93.02,8.17)
  Bottom w0.3: J4.2 2.26,4.8 arc(2.42,5.04) 2.48,5.33 2.48,6.31 arc(2.51,6.5) 2.62,6.66 2.93,6.97 arc(3.09,7.07) 3.28,7.11 5.16,7.11 arc(5.35,7.07) 5.51,6.97 6.31,6.17 arc(6.55,6.01) 6.84,5.95 11,5.95 arc(11.28,6.01) 11.53,6.17 12.5,7.14 v1(12.5,7.16) 12.5,7.41 v1(11.74,8.17) ; v1(6.07,60.51) 5.3,61.27 v1(5.3,61.52) 5.3,61.54 6.28,62.51 arc(6.52,62.67) 6.81,62.73 10.97,62.73 arc(11.25,62.67) 11.5,62.51 12.29,61.72 arc(12.45,61.61) 12.64,61.57 14.52,61.57 arc(14.71,61.61) 14.87,61.72 15.18,62.02 arc(15.29,62.18) 15.33,62.37 15.33,63.36 arc(15.38,63.64) 15.55,63.89 J4#2.2 ; J19.2 42.9,4.8 arc(43.06,5.04) 43.12,5.33 43.12,6.31 arc(43.15,6.5) 43.26,6.66 43.57,6.97 arc(43.73,7.07) 43.92,7.11 45.8,7.11 arc(45.99,7.07) 46.15,6.97 46.95,6.17 arc(47.19,6.01) 47.48,5.95 51.64,5.95 arc(51.92,6.01) 52.17,6.17 53.14,7.14 v1(53.14,7.16) 53.14,7.41 v1(52.38,8.17) ; v1(46.71,60.51) 45.94,61.27 v1(45.94,61.52) 45.94,61.54 46.92,62.51 arc(47.16,62.67) 47.45,62.73 51.61,62.73 arc(51.89,62.67) 52.14,62.51 52.93,61.72 arc(53.09,61.61) 53.28,61.57 55.16,61.57 arc(55.35,61.61) 55.51,61.72 55.82,62.02 arc(55.93,62.18) 55.97,62.37 55.97,63.36 arc(56.02,63.64) 56.19,63.89 J20.2 ; J27.2 63.22,4.8 arc(63.38,5.04) 63.44,5.33 63.44,6.31 arc(63.47,6.5) 63.58,6.66 63.89,6.97 arc(64.05,7.07) 64.24,7.11 66.12,7.11 arc(66.31,7.07) 66.47,6.97 67.27,6.17 arc(67.51,6.01) 67.8,5.95 71.96,5.95 arc(72.24,6.01) 72.49,6.17 73.46,7.14 v1(73.46,7.16) 73.46,7.41 v1(72.7,8.17) ; J28.2 76.51,63.89 arc(76.34,63.64) 76.29,63.36 76.29,62.37 arc(76.25,62.18) 76.14,62.02 75.83,61.72 arc(75.67,61.61) 75.48,61.57 73.6,61.57 arc(73.41,61.61) 73.25,61.72 72.46,62.51 arc(72.21,62.67) 71.93,62.73 67.77,62.73 arc(67.48,62.67) 67.24,62.51 66.26,61.54 v1(66.26,61.52) 66.26,61.27 v1(67.03,60.51) ; J36.2 96.83,63.89 arc(96.66,63.64) 96.61,63.36 96.61,62.37 arc(96.57,62.18) 96.46,62.02 96.15,61.72 arc(95.99,61.61) 95.8,61.57 93.92,61.57 arc(93.73,61.61) 93.57,61.72 92.78,62.51 arc(92.53,62.67) 92.25,62.73 88.09,62.73 arc(87.8,62.67) 87.56,62.51 86.58,61.54 v1(86.58,61.52) 86.58,61.27 v1(87.35,60.51) ; v1(26.39,60.51) 25.62,61.27 v1(25.62,61.52) 25.62,61.54 26.6,62.51 arc(26.84,62.67) 27.13,62.73 31.29,62.73 arc(31.57,62.67) 31.82,62.51 32.61,61.72 arc(32.77,61.61) 32.96,61.57 34.84,61.57 arc(35.03,61.61) 35.19,61.72 35.5,62.02 arc(35.61,62.18) 35.65,62.37 35.65,63.36 arc(35.7,63.64) 35.87,63.89 J12.2 ; v1(93.02,8.17) 93.78,7.41 v1(93.78,7.16) 93.78,7.14 92.81,6.17 arc(92.56,6.01) 92.28,5.95 88.12,5.95 arc(87.83,6.01) 87.59,6.17 86.79,6.97 arc(86.63,7.07) 86.44,7.11 84.56,7.11 arc(84.37,7.07) 84.21,6.97 83.9,6.66 arc(83.79,6.5) 83.76,6.31 83.76,5.33 arc(83.7,5.04) 83.54,4.8 J35.2 ; J11.2 22.58,4.8 arc(22.74,5.04) 22.8,5.33 22.8,6.31 arc(22.83,6.5) 22.94,6.66 23.25,6.97 arc(23.41,7.07) 23.6,7.11 25.48,7.11 arc(25.67,7.07) 25.83,6.97 26.63,6.17 arc(26.87,6.01) 27.16,5.95 31.32,5.95 arc(31.6,6.01) 31.85,6.17 32.82,7.14 v1(32.82,7.16) 32.82,7.41 v1(32.06,8.17)
VBUS: length 300.1
  Top w0.3: J32.A4 92.58,62.57 v1(92.58,61.82) ; U19.35 64.54,52.23 arc(64.73,52.27) 64.9,52.38 v1(64.99,52.48) ; J23.A4 67.46,6.12 v1(67.46,6.86) ; 70.14,12.95 70.04,12.85 70.04,12.35 ; v1(9.09,10.31) 9.08,10.33 Q1#2.1 9.08,12.35 ; J2#2.A9 6.5,62.09 arc(6.42,61.71) 6.21,61.38 v1(6.19,61.37) 6.04,61.37 5,60.34 3.79,60.34 3.42,59.97 ; J8.A9 26.82,62.09 arc(26.74,61.71) 26.53,61.38 v1(26.51,61.37) 26.36,61.37 25.32,60.34 24.11,60.34 23.74,59.97 ; v1(24.35,52.48) 24.26,52.38 arc(24.09,52.27) 23.9,52.23 U7.35 ; 90,56.33 89.96,56.29 R55.1 ; 90,56.33 90,55.83 89.9,55.73 ; 90,56.33 Q9.1 90,58.35 v1(89.99,58.37) ; R13.1 29,56.29 29.04,56.33 ; J15.A9 51.94,6.59 arc(52.02,6.98) 52.23,7.3 v1(52.25,7.32) 52.41,7.32 53.44,8.35 54.65,8.35 55.02,8.71 ; 69.68,56.33 Q7.1 69.68,58.35 v1(69.67,58.37) ; 69.68,56.33 69.68,55.83 69.58,55.73 ; 69.68,56.33 69.64,56.29 R41.1 ; 9.18,12.95 9.08,12.85 9.08,12.35 ; 9.08,12.35 9.12,12.4 R3.1 ; 70.04,12.35 Q6.1 70.04,10.33 v1(70.05,10.31) ; 70.04,12.35 70.08,12.4 R40.1 ; R54.1 90.4,12.4 90.36,12.35 ; J8.A4 31.62,62.57 v1(31.62,61.82) ; 49.36,56.33 Q5.1 49.36,58.35 v1(49.35,58.37) ; 49.36,56.33 49.36,55.83 49.26,55.73 ; 49.36,56.33 49.32,56.29 R27.1 ; 29.4,12.35 29.4,12.85 29.5,12.95 ; 29.4,12.35 Q2.1 29.4,10.33 v1(29.41,10.31) ; 29.4,12.35 29.44,12.4 R12.1 ; 90.46,12.95 90.36,12.85 90.36,12.35 ; J24.A9 67.46,62.09 arc(67.38,61.71) 67.17,61.38 v1(67.15,61.37) 67,61.37 65.96,60.34 64.75,60.34 64.38,59.97 ; v1(49.73,10.31) 49.72,10.33 Q4.1 49.72,12.35 ; U25.35 84.86,52.23 arc(85.05,52.27) 85.22,52.38 v1(85.31,52.48) ; J23.A9 72.26,6.59 arc(72.34,6.98) 72.55,7.3 v1(72.57,7.32) 72.73,7.32 73.76,8.35 74.97,8.35 75.34,8.71 ; 49.72,12.35 49.76,12.4 R26.1 ; 49.72,12.35 49.72,12.85 49.82,12.95 ; J2#2.A4 11.3,62.57 v1(11.3,61.82) ; U24.35 95.5,16.45 arc(95.31,16.41) 95.14,16.3 v1(95.05,16.21) ; 28.94,55.73 29.04,55.83 29.04,56.33 ; 8.72,56.33 Q1.1 8.72,58.35 v1(8.71,58.37) ; 8.72,56.33 8.68,56.29 R3#2.1 ; 8.72,56.33 8.72,55.83 8.62,55.73 ; J16.A4 51.94,62.57 v1(51.94,61.82) ; J16.A9 47.14,62.09 arc(47.06,61.71) 46.85,61.38 v1(46.83,61.37) 46.68,61.37 45.64,60.34 44.43,60.34 44.06,59.97 ; 14.38,8.71 14.01,8.35 12.8,8.35 11.77,7.32 v1(11.61,7.32) 11.59,7.3 arc(11.38,6.98) 11.3,6.59 J2.A9 ; v1(4.03,52.48) 3.94,52.38 arc(3.77,52.27) 3.58,52.23 U3#2.35 ; v1(29.03,58.37) 29.04,58.35 Q3.1 29.04,56.33 ; v1(6.5,6.86) 6.5,6.12 J2.A4 ; U18.35 75.18,16.45 arc(74.99,16.41) 74.82,16.3 v1(74.73,16.21) ; 90.36,12.35 Q8.1 90.36,10.33 v1(90.37,10.31) ; v1(87.78,6.86) 87.78,6.12 J31.A4 ; J15.A4 47.14,6.12 v1(47.14,6.86) ; U12.35 54.86,16.45 arc(54.67,16.41) 54.5,16.3 v1(54.41,16.21) ; J31.A9 92.58,6.59 arc(92.66,6.98) 92.87,7.3 v1(92.89,7.32) 93.05,7.32 94.08,8.35 95.29,8.35 95.66,8.71 ; U13.35 44.22,52.23 arc(44.41,52.27) 44.58,52.38 v1(44.67,52.48) ; v1(13.77,16.21) 13.86,16.3 arc(14.03,16.41) 14.22,16.45 U3.35 ; J7.A9 31.62,6.59 arc(31.7,6.98) 31.91,7.3 v1(31.93,7.32) 32.09,7.32 33.12,8.35 34.33,8.35 34.7,8.71 ; 84.7,59.97 85.07,60.34 86.28,60.34 87.32,61.37 v1(87.47,61.37) 87.49,61.38 arc(87.7,61.71) 87.78,62.09 J32.A9 ; J24.A4 72.26,62.57 v1(72.26,61.82) ; v1(26.82,6.86) 26.82,6.12 J7.A4 ; U6.35 34.54,16.45 arc(34.35,16.41) 34.18,16.3 v1(34.09,16.21)
  Bottom w0.3: v1(44.67,52.48) 44.77,52.57 arc(44.88,52.73) 44.92,52.93 44.92,57.42 arc(44.99,57.8) 45.21,58.13 47.18,60.1 arc(47.29,60.26) 47.33,60.46 47.33,60.74 arc(47.27,61.02) 47.11,61.27 47.01,61.37 ; 10.26,62.23 7.55,62.23 arc(7.26,62.17) 7.02,62.01 6.37,61.37 ; 10.26,62.23 10.58,62.23 arc(10.87,62.17) 11.11,62.01 v1(11.3,61.82) 11.3,61.27 arc(11.24,60.98) 11.08,60.74 v1(8.71,58.37) ; 10.26,62.23 10.28,62.23 ; 11.43,7.32 11.33,7.41 arc(11.17,7.66) 11.11,7.94 11.11,8.23 arc(11.15,8.42) 11.26,8.58 13.23,10.55 arc(13.45,10.88) 13.52,11.26 13.52,15.76 arc(13.56,15.95) 13.67,16.11 v1(13.77,16.21) ; 11.43,7.32 10.79,6.67 arc(10.54,6.51) 10.26,6.45 7.54,6.45 ; 11.43,7.32 v1(11.61,7.32) ; 27.86,6.45 27.84,6.45 ; 27.86,6.45 30.58,6.45 arc(30.86,6.51) 31.11,6.67 31.75,7.32 ; 27.86,6.45 27.54,6.45 arc(27.25,6.51) 27.01,6.67 v1(26.82,6.86) 26.82,7.41 arc(26.88,7.7) 27.04,7.94 v1(29.41,10.31) ; 72.39,7.32 72.29,7.41 arc(72.13,7.66) 72.07,7.94 72.07,8.23 arc(72.11,8.42) 72.22,8.58 74.19,10.55 arc(74.41,10.88) 74.48,11.26 74.48,15.76 arc(74.52,15.95) 74.63,16.11 v1(74.73,16.21) ; 72.39,7.32 v1(72.57,7.32) ; 72.39,7.32 71.75,6.67 arc(71.5,6.51) 71.22,6.45 68.5,6.45 ; v1(52.25,7.32) 52.07,7.32 ; 52.07,7.32 51.97,7.41 arc(51.81,7.66) 51.75,7.94 51.75,8.23 arc(51.79,8.42) 51.9,8.58 53.87,10.55 arc(54.09,10.88) 54.16,11.26 54.16,15.76 arc(54.2,15.95) 54.31,16.11 v1(54.41,16.21) ; 52.07,7.32 51.43,6.67 arc(51.18,6.51) 50.9,6.45 48.18,6.45 ; v1(90.37,10.31) 88,7.94 arc(87.84,7.7) 87.78,7.41 v1(87.78,6.86) 87.97,6.67 arc(88.21,6.51) 88.5,6.45 88.82,6.45 ; 67.33,61.37 67.43,61.27 arc(67.59,61.02) 67.65,60.74 67.65,60.46 arc(67.61,60.26) 67.5,60.1 65.53,58.13 arc(65.31,57.8) 65.24,57.42 65.24,52.93 arc(65.2,52.73) 65.09,52.57 v1(64.99,52.48) ; 67.33,61.37 v1(67.15,61.37) ; 67.33,61.37 67.98,62.01 arc(68.22,62.17) 68.51,62.23 71.22,62.23 ; v1(49.73,10.31) 47.36,7.94 arc(47.2,7.7) 47.14,7.41 v1(47.14,6.86) 47.33,6.67 arc(47.57,6.51) 47.86,6.45 48.18,6.45 ; 48.18,6.45 48.16,6.45 ; v1(92.89,7.32) 92.71,7.32 ; 92.71,7.32 92.61,7.41 arc(92.45,7.66) 92.39,7.94 92.39,8.23 arc(92.43,8.42) 92.54,8.58 94.51,10.55 arc(94.73,10.88) 94.8,11.26 94.8,15.76 arc(94.84,15.95) 94.95,16.11 v1(95.05,16.21) ; 92.71,7.32 92.07,6.67 arc(91.82,6.51) 91.54,6.45 88.82,6.45 ; v1(26.51,61.37) 26.69,61.37 ; 26.69,61.37 26.79,61.27 arc(26.95,61.02) 27.01,60.74 27.01,60.46 arc(26.97,60.26) 26.86,60.1 24.89,58.13 arc(24.67,57.8) 24.6,57.42 24.6,52.93 arc(24.56,52.73) 24.45,52.57 v1(24.35,52.48) ; 26.69,61.37 27.34,62.01 arc(27.58,62.17) 27.87,62.23 30.58,62.23 ; 68.5,6.45 68.48,6.45 ; 68.5,6.45 68.18,6.45 arc(67.89,6.51) 67.65,6.67 v1(67.46,6.86) 67.46,7.41 arc(67.52,7.7) 67.68,7.94 v1(70.05,10.31) ; 91.54,62.23 91.86,62.23 arc(92.15,62.17) 92.39,62.01 v1(92.58,61.82) 92.58,61.27 arc(92.52,60.98) 92.36,60.74 v1(89.99,58.37) ; 91.54,62.23 91.56,62.23 ; 91.54,62.23 88.83,62.23 arc(88.54,62.17) 88.3,62.01 87.65,61.37 ; v1(6.19,61.37) 6.37,61.37 ; 6.37,61.37 6.47,61.27 arc(6.63,61.02) 6.69,60.74 6.69,60.46 arc(6.65,60.26) 6.54,60.1 4.57,58.13 arc(4.35,57.8) 4.28,57.42 4.28,52.93 arc(4.24,52.73) 4.13,52.57 v1(4.03,52.48) ; 31.75,7.32 31.65,7.41 arc(31.49,7.66) 31.43,7.94 31.43,8.23 arc(31.47,8.42) 31.58,8.58 33.55,10.55 arc(33.77,10.88) 33.84,11.26 33.84,15.76 arc(33.88,15.95) 33.99,16.11 v1(34.09,16.21) ; 31.75,7.32 v1(31.93,7.32) ; 50.9,62.23 50.92,62.23 ; 50.9,62.23 51.22,62.23 arc(51.51,62.17) 51.75,62.01 v1(51.94,61.82) 51.94,61.27 arc(51.88,60.98) 51.72,60.74 v1(49.35,58.37) ; 50.9,62.23 48.19,62.23 arc(47.9,62.17) 47.66,62.01 47.01,61.37 ; 71.22,62.23 71.24,62.23 ; 71.22,62.23 71.54,62.23 arc(71.83,62.17) 72.07,62.01 v1(72.26,61.82) 72.26,61.27 arc(72.2,60.98) 72.04,60.74 v1(69.67,58.37) ; v1(29.03,58.37) 31.4,60.74 arc(31.56,60.98) 31.62,61.27 v1(31.62,61.82) 31.43,62.01 arc(31.19,62.17) 30.9,62.23 30.58,62.23 ; v1(9.09,10.31) 6.72,7.94 arc(6.56,7.7) 6.5,7.41 v1(6.5,6.86) 6.69,6.67 arc(6.93,6.51) 7.22,6.45 7.54,6.45 ; 87.65,61.37 87.75,61.27 arc(87.91,61.02) 87.97,60.74 87.97,60.46 arc(87.93,60.26) 87.82,60.1 85.85,58.13 arc(85.63,57.8) 85.56,57.42 85.56,52.93 arc(85.52,52.73) 85.41,52.57 v1(85.31,52.48) ; 87.65,61.37 v1(87.47,61.37) ; 30.58,62.23 30.6,62.23 ; 88.82,6.45 88.8,6.45 ; 47.01,61.37 v1(46.83,61.37) ; 7.54,6.45 7.52,6.45
VCC: length 46
  Top w0.3: C12.2 35.02,59.05 34.83,58.86 34.53,58.86 34.94,58.86 36.55,57.25 J12.5 ; C30.2 64.06,9.63 64.25,9.82 64.55,9.82 64.15,9.82 62.53,11.43 J27.5 ; J4#2.5 16.23,57.25 14.62,58.86 14.21,58.86 14.51,58.86 14.7,59.05 C6#2.2 ; C40.2 84.38,9.63 84.57,9.82 84.87,9.82 84.47,9.82 82.85,11.43 J35.5 ; J36.5 97.51,57.25 95.9,58.86 95.49,58.86 95.79,58.86 95.98,59.05 C41.2 ; C31.2 75.66,59.05 75.47,58.86 75.17,58.86 75.58,58.86 77.19,57.25 J28.5 ; J20.5 56.87,57.25 55.26,58.86 54.85,58.86 55.15,58.86 55.34,59.05 C21.2 ; J19.5 42.21,11.43 43.83,9.82 44.23,9.82 43.93,9.82 43.74,9.63 C20.2 ; J4.5 1.57,11.43 3.19,9.82 3.59,9.82 3.29,9.82 3.1,9.63 C6.2 ; C11.2 23.42,9.63 23.61,9.82 23.91,9.82 23.51,9.82 21.89,11.43 J11.5
